# Altium PCB DISPLAY.PcbDoc
Units mil, origin at the board's own origin, x right, y up, seen from the top; angles counter-clockwise.
Board outline 6000 x 4000 mil, 2 copper layers (Top Layer, Bottom Layer); 139 components, 204 nets, 827 pads, 0 vias.
Unrouted connection lines stored in the file: 1.
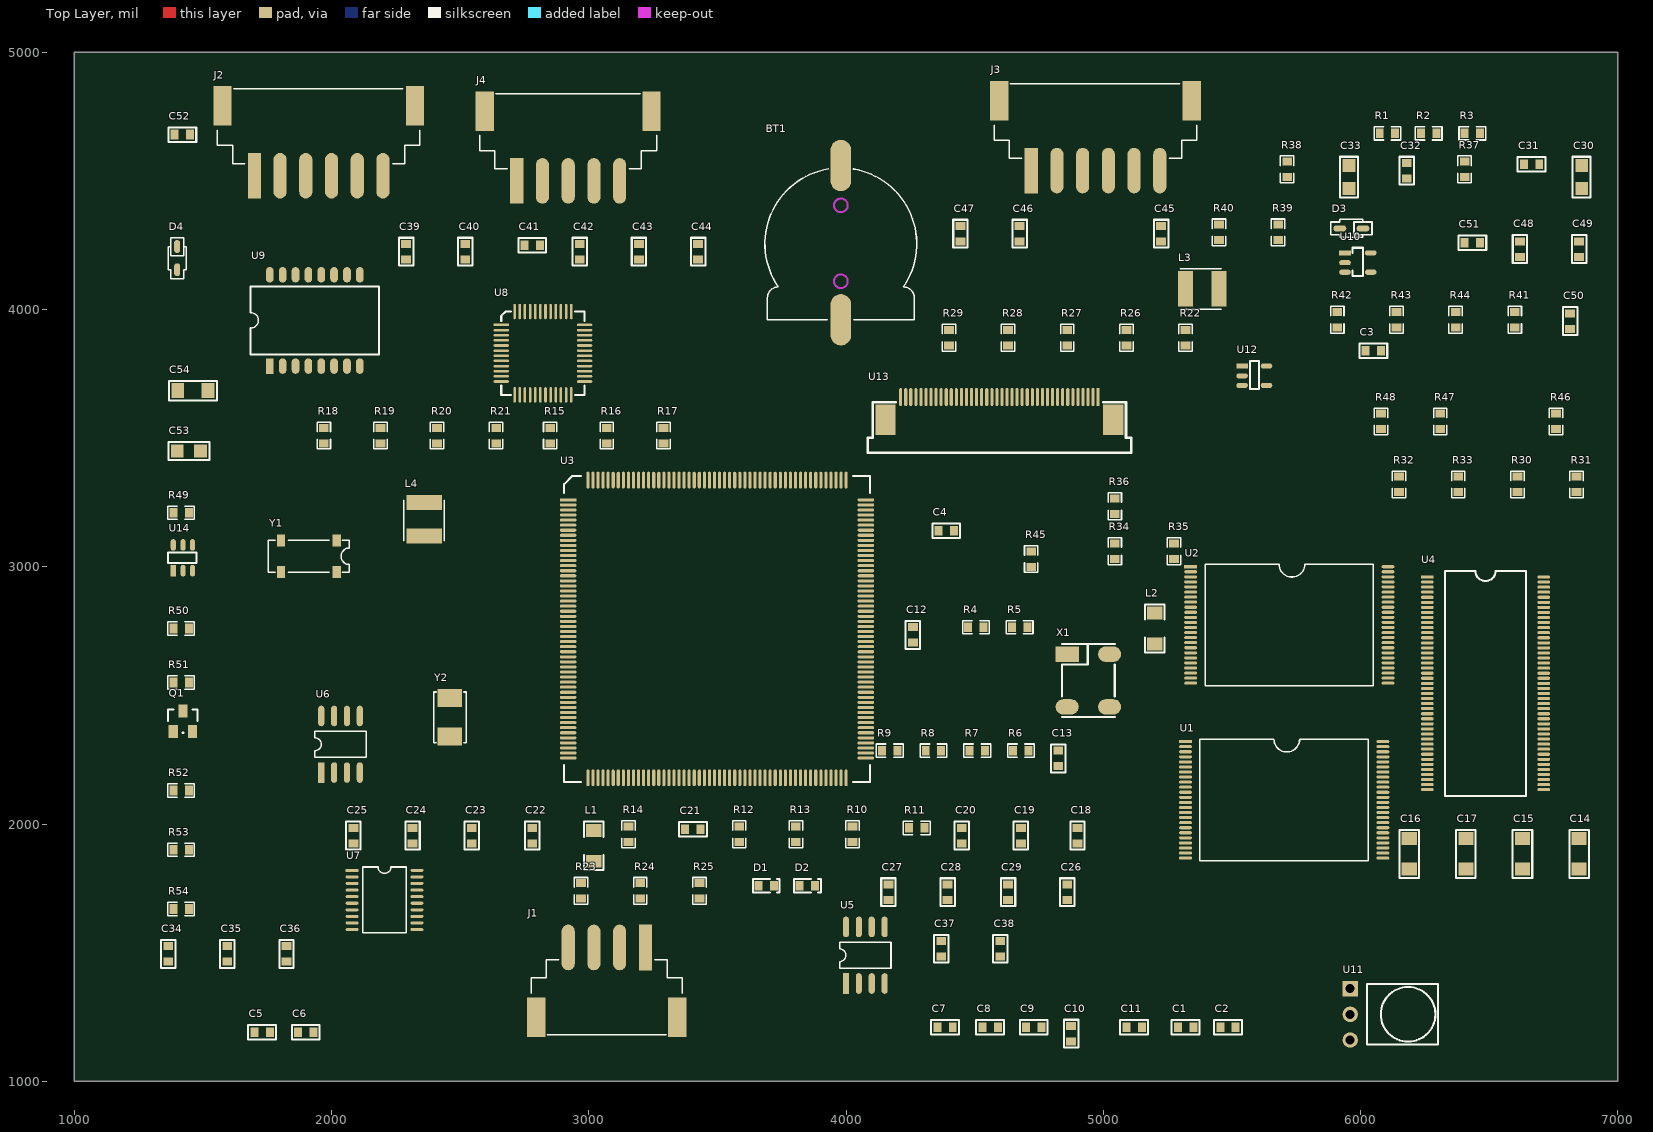
[diagram p0: Top Layer view]
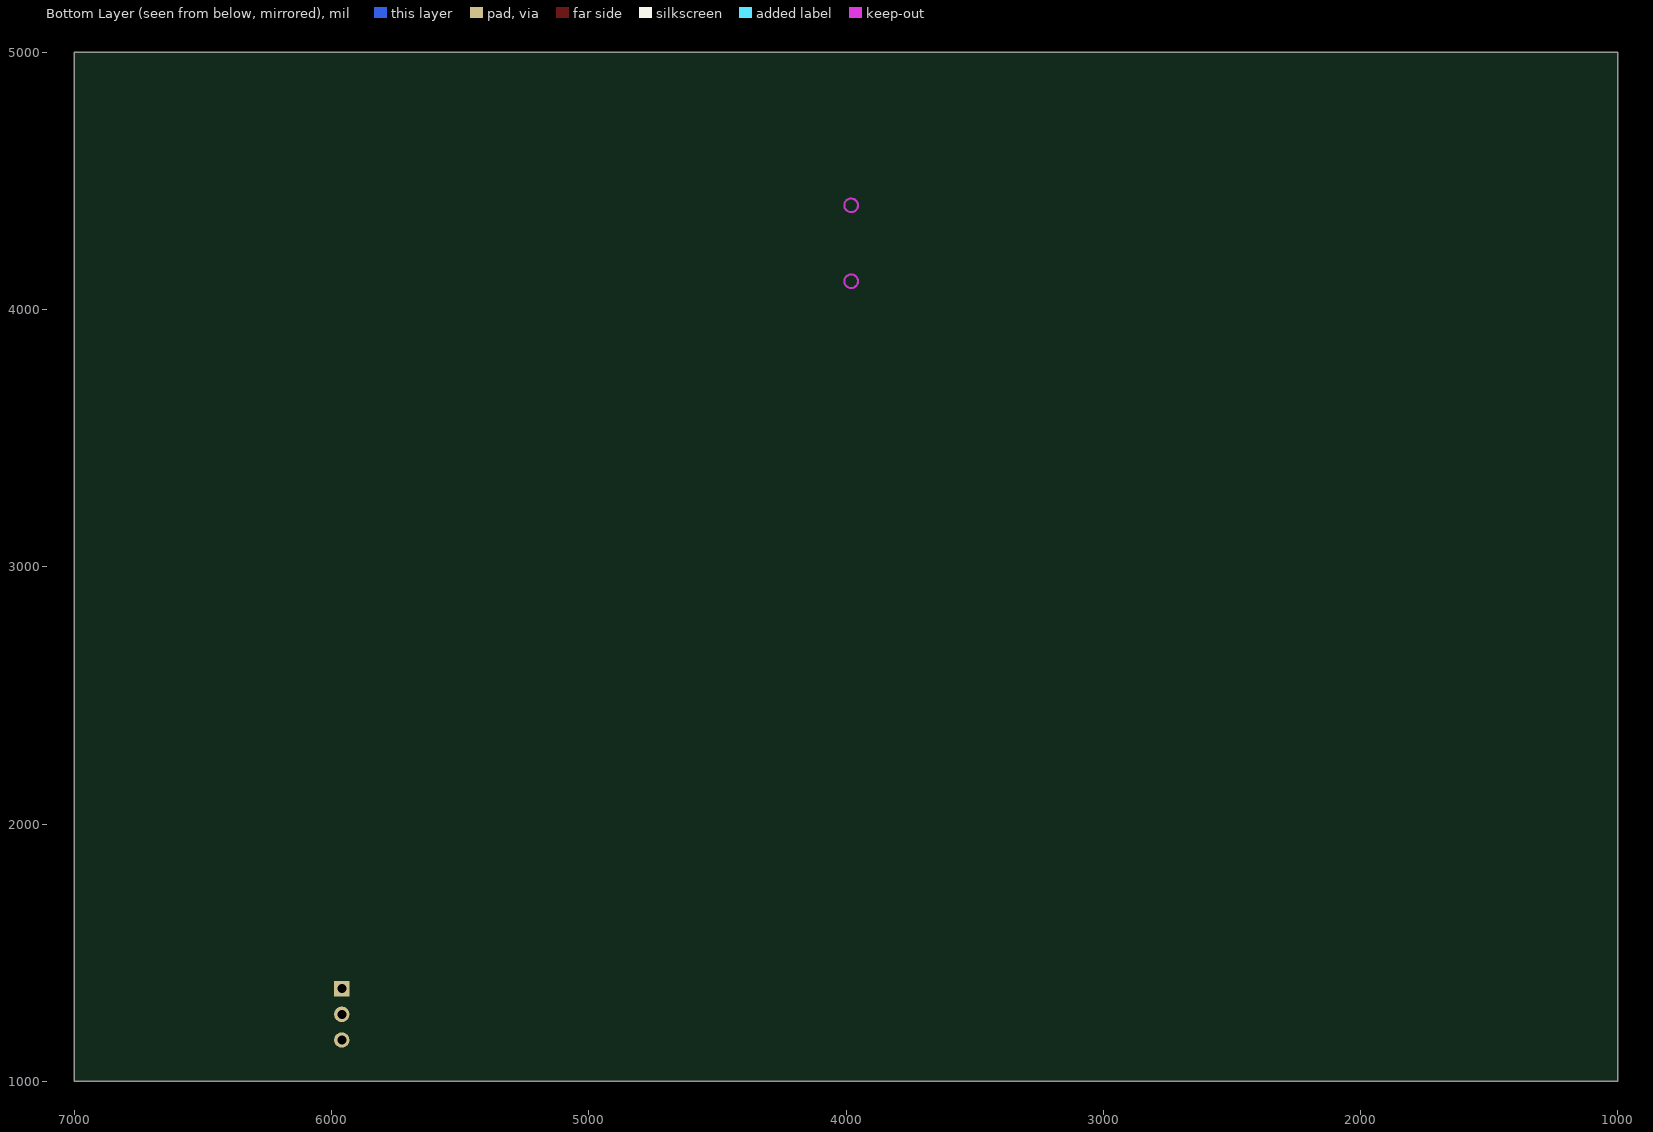
[diagram p1: Bottom Layer view, seen from below]

## Layer stack, top to bottom
Top Layer: signal copper 1.4
Dielectric: dielectric 12.6, FR-4, Dk 4.8
Bottom Layer: signal copper 1.4

## Board outline
1000,1000 7000,1000 7000,5000 1000,5000

## Design rules (kind name [scope] priority, off if disabled: settings)
Clearance [All] p1: gap=10
PolygonConnect [All] p1: connectstyle=Relief reliefconductorwidth=10 reliefentries=4 polygonreliefangle="90 Angle"
RoutingVias [All] p1: holewidth=28 width=50 viastyle="Through Hole" minholewidth=28 minwidth=50 maxholewidth=28 maxwidth=50
SilkscreenOverComponentPads [All] p1: minsilkscreentomaskgap=10
SolderMaskExpansion [All] p1: expansion=4
Width [All] p1: maxlimit=10 minlimit=10 preferedwidth=10
27 further rules are at their usual default settings.

## Classes and differential pairs
component class U_CanRs232: C14 C15 C16 C17 J1 U7
component class U_EEPROM: C12 C13 R4 R5 R6 R7 R8 R9 U5 U6
component class U_Enet: C18 C19 C20 C21 C22 C23 C24 C25 C26 C27 C28 C29 D1 D2 J2 L1 L2 R10 R11 R12 R13 R14 R15 R16 R17 R18 R19 R20 R21 R22 R23 R24 R25 R26 R27 R28 R29 R30 R31 R32 R33 R34 R35 U8 U9 X1
component class U_GPIO: R36
component class U_Mem: C1 C2 C3 C4 C5 C6 C7 C8 C9 C10 C11 R1 R2 R3 U1 U2 U3 U4
component class U_Power: C30 C31 C32 C33 C34 C35 C36 C37 C38 C39 C40 C41 C42 C43 C44 L3 R37 R38 U10
component class U_System: BT1 C45 C46 C47 C48 C49 C50 C51 D3 J3 J4 R39 R40 R41 R42 R43 R44 R45 R46 R47 R48 U11 U12 Y1 Y2
component class U_TFT: C52 C53 C54 D4 L4 Q1 R49 R50 R51 R52 R53 R54 U13 U14

## Components (designator, comment, footprint, x,y, rotation, side; value= is the part's Value field where it differs from the comment)
BT1 "CR1220" CR1220 3980,3960 r90 top
C1 "104" C0603 5290,1210 r0 top
C2 "104" C0603 5455,1210 r0 top
C3 "104" C0603 6020,3840 r0 top
C4 "104" C0603 4360,3140 r0 top
C5 "104" C0603 1700,1190 r0 top
C6 "104" C0603 1870,1190 r0 top
C7 "104" C0603 4355,1210 r0 top
C8 "104" C0603 4530,1210 r0 top
C9 "104" C0603 4700,1210 r0 top
C10 "104" C0603 4875,1155 r90 top
C11 "104" C0603 5090,1210 r0 top
C12 "104" C0603 4260,2705 r90 top
C13 "104" C0603 4825,2225 r90 top
C14 "104" C1206 6850,1825 r90 top
C15 "104" C1206 6630,1825 r90 top
C16 "104" C1206 6190,1825 r90 top
C17 "104" C1206 6410,1825 r90 top
C18 "104" C0603 4900,1925 r90 top
C19 "104" C0603 4680,1925 r90 top
C20 "103" C0603 4450,1925 r90 top
C21 "104" C0603 3375,1980 r0 top
C22 "104" C0603 2780,1925 r90 top
C23 "104" C0603 2545,1925 r90 top
C24 "103" C0603 2315,1925 r90 top
C25 "104" C0603 2085,1925 r90 top
C26 "104" C0603 4860,1705 r90 top
C27 "104" C0603 4165,1705 r90 top
C28 "104" C0603 4395,1705 r90 top
C29 "104" C0603 4630,1705 r90 top
C30 "106" C0805 6860,4470 r90 top
C31 "104" C0603 6635,4565 r0 top
C32 "22P" C0603 6180,4510 r90 top
C33 "106(0805)" C0805 5955,4470 r90 top
C34 "104" C0603 1365,1465 r90 top
C35 "104" C0603 1595,1465 r90 top
C36 "104" C0603 1825,1465 r90 top
C37 "104" C0603 4370,1485 r90 top
C38 "104" C0603 4600,1485 r90 top
C39 "104" C0603 2290,4195 r90 top
C40 "104" C0603 2520,4195 r90 top
C41 "104" C0603 2750,4250 r0 top
C42 "104" C0603 2965,4195 r90 top
C43 "104" C0603 3195,4195 r90 top
C44 "104" C0603 3425,4195 r90 top
C45 "106" C0603 5225,4265 r90 top
C46 "106" C0603 4675,4265 r90 top
C47 "104" C0603 4445,4265 r90 top
C48 "18P" C0603 6620,4205 r90 top
C49 "18P" C0603 6850,4205 r90 top
C50 "22P" C0603 6815,3925 r90 top
C51 "22P" C0603 6405,4260 r0 top
C52 "104" C0603 1450,4680 r180 top
C53 "106" C0805 1490,3450 r180 top
C54 "104(1206)" C1206 1520,3685 r180 top
D1 "RED" LED0603 3660,1760 r0 top
D2 "GREEN" LED0603 3820,1760 r0 top
D3 "1N4148WS" SOD323 5920,4315 r0 top
D4 "1N4148WS" SOD323 1400,4155 r90 top
J1 "XH2.54-4" A2501WF-04A 3220,1520 r180 top
J2 "XH2.54-6" A2501WF-06A 1700,4520 r0 top
J3 "XH2.54-6" A2501WF-06A 4720,4540 r0 top
J4 "XH2.54-5" A2501WF-05A 2720,4500 r0 top
L1 "L50R" BEADL 3020,1855 r90 top
L2 "L50R" BEADL 5200,2700 r90 top
L3 "2.2uH" L4X4 5320,4080 r0 top
L4 "22uH" L4X4 2360,3120 r90 top
Q1 "A3402" SOT23_9013 1385,2360 r90 top
R1 "10K" R0603 6075,4685 r0 top
R2 "10K" R0603 6235,4685 r0 top
R3 "10K" R0603 6405,4685 r0 top
R4 "1K" R0603 4475,2765 r0 top
R5 "1K" R0603 4645,2765 r0 top
R6 "22R" R0603 4650,2285 r0 top
R7 "22R" R0603 4480,2285 r0 top
R8 "22R" R0603 4310,2285 r0 top
R9 "22R" R0603 4140,2285 r0 top
R10 "51R" R0603 4025,1930 r90 top
R11 "51R" R0603 4245,1985 r0 top
R12 "51R" R0603 3585,1930 r90 top
R13 "51R" R0603 3805,1930 r90 top
R14 "6K8" R0603 3155,1930 r90 top
R15 "0R" R0603 2850,3480 r90 top
R16 "10K" R0603 3070,3480 r90 top
R17 "10K" R0603 3290,3480 r90 top
R18 "75R" R0603 1970,3480 r90 top
R19 "75R" R0603 2190,3480 r90 top
R20 "75R" R0603 2410,3480 r90 top
R21 "75R" R0603 2640,3480 r90 top
R22 "10K" R0603 5320,3860 r90 top
R23 "10K" R0603 2970,1710 r90 top
R24 "10K" R0603 3200,1710 r90 top
R25 "10K" R0603 3430,1710 r90 top
R26 "330R" R0603 5090,3860 r90 top
R27 "330R" R0603 4860,3860 r90 top
R28 "10K" R0603 4630,3860 r90 top
R29 "2K" R0603 4400,3860 r90 top
R30 "10K" R0603 6610,3290 r90 top
R31 "2K" R0603 6840,3290 r90 top
R32 "10K" R0603 6150,3290 r90 top
R33 "2K" R0603 6380,3290 r90 top
R34 "10K" R0603 5045,3030 r90 top
R35 "2K" R0603 5275,3030 r90 top
R36 "10K" R0603 5045,3205 r90 top
R37 "100K" R0603 6405,4515 r90 top
R38 "22K" R0603 5715,4515 r90 top
R39 "100R" R0603 5680,4270 r90 top
R40 "1K" R0603 5450,4270 r90 top
R41 "10K" R0603 6600,3930 r90 top
R42 "10K" R0603 5910,3930 r90 top
R43 "10K" R0603 6140,3930 r90 top
R44 "10K" R0603 6370,3930 r90 top
R45 "2K" R0603 4720,3000 r90 top
R46 "2K" R0603 6760,3535 r90 top
R47 "0R" R0603 6310,3535 r90 top
R48 "10K" R0603 6080,3535 r90 top
R49 "22K" R0603 1445,3210 r180 top
R50 "5R6" R0603 1445,2760 r180 top
R51 "100K" R0603 1445,2550 r180 top
R52 "100R" R0603 1445,2130 r180 top
R53 "100K" R0603 1445,1900 r180 top
R54 "10K" R0603 1445,1670 r180 top
U1 "SST39VF1601" SST39VF1601 5320,2320 r0 top
U2 "K9F4G08U0B-PCB0" K9F4G08U0B 5340,3000 r0 top
U3 "LPC1788FBD208" QFP208 2920,3260 r0 top
U4 "MT48LC8M32B2" TSOP86 6260,2960 r0 top
U5 "AT24C02BN-SH-T" SOP8 4000,1380 r90 top
U6 "GT21L16S2W" SOP8 1960,2200 r90 top
U7 "SP3222B" TSSOP20 2080,1820 r0 top
U8 "DM9161AEP" PQFP48 2660,3940 r0 top
U9 "HR601680" HR601680 1760,3780 r90 top
U10 "LTC3406ES5-ADJ" SOT23-5 5940,4220 r0 top
U11 "HS0038B" HS0038B 5960,1360 r270 top
U12 "TPS3823-33DBVT" TSOP-5 5540,3780 r0 top
U13 "LCD43" SMTSOFT40 4980,3660 r180 top
U14 "PT4101" SOT23-6 1385,2985 r90 top
X1 "50MHz" CRYSTAL5X8 4860,2660 r0 top
Y1 "32768" MC-306 2020,2980 r180 top
Y2 "12M" CY5032 2460,2340 r90 top

## Footprints (in the part's own frame and the unit in brackets; to place one, negate y for a bottom-side part, rotate by r counter-clockwise, add the part's x,y. Pads: shape width x height; smd on the part's side, far side on the other; paste and mask are expansions set on the pad)
A2501WF-04A [mm]
  rect 1.8x3.9 smd: 0(-3.15,6.9) 0(10.77,6.9)
  rect 1.3x4.5 smd: 1(0,0)
  oval 1.3x4.5 smd: 2(2.54,0) 3(5.08,0) 4(7.62,0)
  silkscreen extent -3.65,1.2 11.27,8.6, body extent -3.69,-1.62 11.31,8.58, height 6
A2501WF-05A [mm]
  rect 1.8x3.9 smd: 0(-3.15,6.9) 0(13.31,6.9)
  rect 1.3x4.5 smd: 1(0,0)
  oval 1.3x4.5 smd: 2(2.54,0) 3(5.08,0) 4(7.62,0) 5(10.16,0)
  silkscreen extent -3.65,1.2 13.81,8.6, body extent -3.65,-1.64 13.85,8.71, height 6
A2501WF-06A [mm]
  rect 1.8x3.9 smd: 0(-3.15,6.9) 0(15.85,6.9)
  rect 1.3x4.5 smd: 1(0,0)
  oval 1.3x4.5 smd: 2(2.54,0) 3(5.08,0) 4(7.62,0) 5(10.16,0) 6(12.7,0)
  silkscreen extent -3.65,1.2 16.35,8.6, body extent -3.68,-1.77 16.32,8.58, height 6
BEADL [mil]
  rect 50x60 smd: 1(0,0) 2(120,0)
  silkscreen extent -34,-38 154,38, body extent -7,-35 127,35, height 39
C0603 [mil]
  rect 31x38 smd: 1(0,0) 2(60,0)
  silkscreen extent -24,-28 84,28, body extent -3,-18 63,18, height 35
C0805 [mil]
  rect 50x50 smd: 1(0,0) 2(90,0)
  silkscreen extent -35,-35 124,35, body extent 2,-29 88,29, height 53
C1206 [mm]
  rect 1.27x1.5 smd: 1(-0.004,0.005) 2(2.996,0.005)
  silkscreen extent -0.87,-0.96 3.85,0.97, body extent -0.18,-0.9 3.22,0.9, height 1
CR1220 [mil]
  oval 200x80 smd: 1(0,0) 2(600,0)
  Keep-Out Layer circle w8: c150,0 r26.63
  Keep-Out Layer circle w8: c445,0 r26.63
  silkscreen extent 0,-295 586,295, body extent -58,-295 657,296, height 158
CRYSTAL5X8 [mil]
  rect 90x60 smd: 1(-0.17,0.2)
  oval 90x60 smd: 2(-0.17,-204.8) 3(164.83,-204.8) 4(164.83,0.2)
  silkscreen extent -20,-245 185,40, body extent -16,-240 181,36, height 56
CY5032 [mm]
  rect 1.8x2.4 smd: 1(0,0) 2(3.8,0)
  silkscreen extent -0.6,-1.6 4.4,1.6, body extent -0.6,-1.6 4.4,1.6, height 1.21
HR601680 [mil]
  rect 60x30 smd: 1(0,0)
  oval 60x30 smd: 2(0,-50) 3(0,-100) 4(0,-150) 5(0,-200) 6(0,-250) 7(0,-300) 8(0,-350) 9(355,-350) 10(355,-300) 11(355,-250) 12(355,-200) 13(355,-150) 14(355,-100) 15(355,-50) 16(355,0)
  silkscreen extent 45,-424 310,74, body extent -8,-419 363,69, height 225
HS0038B [mil]
  rect 60x60 hole 35: 1(-0.17,0.2)
  round 60 hole 35: 2(99.83,0.2) 3(199.83,0.2)
  silkscreen extent -18,66 218,342, body extent -19,-7 217,337, height 192
K9F4G08U0B [mil]
  rect 50x12 smd: 1(-0.17,0.2)
  oval 50x12 smd: 2(-0.17,-19.48) 3(-0.17,-39.17) 4(-0.17,-58.85) 5(-0.17,-78.54) 6(-0.17,-98.22) 7(-0.17,-117.91) 8(-0.17,-137.59) 9(-0.17,-157.28) 10(-0.17,-176.96) 11(-0.17,-196.65) 12(-0.17,-216.33) 13(-0.17,-236.02) 14(-0.17,-255.7) 15(-0.17,-275.39) 16(-0.17,-295.07) 17(-0.17,-314.76) 18(-0.17,-334.44) 19(-0.17,-354.13) 20(-0.17,-373.81) 21(-0.17,-393.5) 22(-0.17,-413.18) 23(-0.17,-432.87) 24(-0.17,-452.55) 25(767.23,-452.55) 26(767.23,-432.87) 27(767.23,-413.18) 28(767.23,-393.5) 29(767.23,-373.81) 30(767.23,-354.13) 31(767.23,-334.44) 32(767.23,-314.76) 33(767.23,-295.07) 34(767.23,-275.39) 35(767.23,-255.7) 36(767.23,-236.02) 37(767.23,-216.33) 38(767.23,-196.65) 39(767.23,-176.96) 40(767.23,-157.28) 41(767.23,-137.59) 42(767.23,-117.91) 43(767.23,-98.22) 44(767.23,-78.54) 45(767.23,-58.85) 46(767.23,-39.17) 47(767.23,-19.48) 48(767.23,0.2)
  silkscreen extent 56,-462 710,10, body extent -15,-464 781,12, height 48
L4X4 [mm]
  rect 1.5x3.5 smd: 1(0,0) 2(3.3,0)
  silkscreen extent -0.5,-2 3.5,2, body extent -0.35,-2 3.65,2, height 1.04
LED0603 [mil]
  rect 31x38 smd: 1(0,0) 2(60,0)
  silkscreen extent -22,-26 82,26, body extent -3,-18 63,18, height 35
MC-306 [mm]
  rect 0.8x1.2 smd: 0(5.496,0.005) 0(5.496,-3.095) 1(-0.004,0.005) 2(-0.004,-3.095)
  silkscreen extent -1.25,-3.14 6.75,0.06, body extent -1.23,-3.25 6.77,0.15
PQFP48 [mil]
  rect 60x10 smd: 1(-0.17,0.2)
  oval 60x10 smd: 2(-0.17,-19.8) 3(-0.17,-39.8) 4(-0.17,-59.8) 5(-0.17,-79.8) 6(-0.17,-99.8) 7(-0.17,-119.8) 8(-0.17,-139.8) 9(-0.17,-159.8) 10(-0.17,-179.8) 11(-0.17,-199.8) 12(-0.17,-219.8) 25(323.83,-219.8) 26(323.83,-199.8) 27(323.83,-179.8) 28(323.83,-159.8) 29(323.83,-139.8) 30(323.83,-119.8) 31(323.83,-99.8) 32(323.83,-79.8) 33(323.83,-59.8) 34(323.83,-39.8) 35(323.83,-19.8) 36(323.83,0.2)
  oval 10x60 smd: 13(51.83,-271.8) 14(71.83,-271.8) 15(91.83,-271.8) 16(111.83,-271.8) 17(131.83,-271.8) 18(151.83,-271.8) 19(171.83,-271.8) 20(191.83,-271.8) 21(211.83,-271.8) 22(231.83,-271.8) 23(251.83,-271.8) 24(271.83,-271.8) 37(271.83,52.2) 38(251.83,52.2) 39(231.83,52.2) 40(211.83,52.2) 41(191.83,52.2) 42(171.83,52.2) 43(151.83,52.2) 44(131.83,52.2) 45(111.83,52.2) 46(91.83,52.2) 47(71.83,52.2) 48(51.83,52.2)
  silkscreen extent 0,-272 324,52, body extent -15,-286 339,68, height 57
QFP208 [mil]
  rect 65x12 smd: 1(-0.17,0.2)
  oval 65x12 smd: 2(-0.17,-19.48) 3(-0.17,-39.17) 4(-0.17,-58.85) 5(-0.17,-78.54) 6(-0.17,-98.22) 7(-0.17,-117.91) 8(-0.17,-137.59) 9(-0.17,-157.28) 10(-0.17,-176.96) 11(-0.17,-196.65) 12(-0.17,-216.33) 13(-0.17,-236.02) 14(-0.17,-255.7) 15(-0.17,-275.39) 16(-0.17,-295.07) 17(-0.17,-314.76) 18(-0.17,-334.44) 19(-0.17,-354.13) 20(-0.17,-373.81) 21(-0.17,-393.5) 22(-0.17,-413.18) 23(-0.17,-432.87) 24(-0.17,-452.55) 25(-0.17,-472.24) 26(-0.17,-491.92) 27(-0.17,-511.61) 28(-0.17,-531.29) 29(-0.17,-550.98) 30(-0.17,-570.66) 31(-0.17,-590.35) 32(-0.17,-610.03) 33(-0.17,-629.72) 34(-0.17,-649.4) 35(-0.17,-669.09) 36(-0.17,-688.77) 37(-0.17,-708.46) 38(-0.17,-728.14) 39(-0.17,-747.83) 40(-0.17,-767.51) 41(-0.17,-787.2) 42(-0.17,-806.88) 43(-0.17,-826.57) 44(-0.17,-846.25) 45(-0.17,-865.94) 46(-0.17,-885.62) 47(-0.17,-905.31) 48(-0.17,-924.99) 49(-0.17,-944.68) 50(-0.17,-964.36) 51(-0.17,-984.05) 52(-0.17,-1003.73) 105(1157.3,-1003.73) 106(1157.3,-984.05) 107(1157.3,-964.36) 108(1157.3,-944.68) 109(1157.3,-924.99) 110(1157.3,-905.31) 111(1157.3,-885.62) 112(1157.3,-865.94) 113(1157.3,-846.25) 114(1157.3,-826.57) 115(1157.3,-806.88) 116(1157.3,-787.2) 117(1157.3,-767.51) 118(1157.3,-747.83) 119(1157.3,-728.14) 120(1157.3,-708.46) 121(1157.3,-688.77) 122(1157.3,-669.09) 123(1157.3,-649.4) 124(1157.3,-629.72) 125(1157.3,-610.03) 126(1157.3,-590.35) 127(1157.3,-570.66) 128(1157.3,-550.98) 129(1157.3,-531.29) 130(1157.3,-511.61) 131(1157.3,-491.92) 132(1157.3,-472.24) 133(1157.3,-452.55) 134(1157.3,-432.87) 135(1157.3,-413.18) 136(1157.3,-393.5) 137(1157.3,-373.81) 138(1157.3,-354.13) 139(1157.3,-334.44) 140(1157.3,-314.76) 141(1157.3,-295.07) 142(1157.3,-275.39) 143(1157.3,-255.7) 144(1157.3,-236.02) 145(1157.3,-216.33) 146(1157.3,-196.65) 147(1157.3,-176.96) 148(1157.3,-157.28) 149(1157.3,-137.59) 150(1157.3,-117.91) 151(1157.3,-98.22) 152(1157.3,-78.54) 153(1157.3,-58.85) 154(1157.3,-39.17) 155(1157.3,-19.48) 156(1157.3,0.2)
  oval 12x65 smd: 53(76.6,-1080.5) 54(96.28,-1080.5) 55(115.97,-1080.5) 56(135.65,-1080.5) 57(155.34,-1080.5) 58(175.02,-1080.5) 59(194.71,-1080.5) 60(214.39,-1080.5) 61(234.08,-1080.5) 62(253.76,-1080.5) 63(273.45,-1080.5) 64(293.13,-1080.5) 65(312.82,-1080.5) 66(332.5,-1080.5) 67(352.19,-1080.5) 68(371.87,-1080.5) 69(391.56,-1080.5) 70(411.24,-1080.5) 71(430.93,-1080.5) 72(450.61,-1080.5) 73(470.3,-1080.5) 74(489.98,-1080.5) 75(509.67,-1080.5) 76(529.35,-1080.5) 77(549.04,-1080.5) 78(568.72,-1080.5) 79(588.41,-1080.5) 80(608.09,-1080.5) 81(627.78,-1080.5) 82(647.46,-1080.5) 83(667.15,-1080.5) 84(686.83,-1080.5) 85(706.52,-1080.5) 86(726.2,-1080.5) 87(745.89,-1080.5) 88(765.57,-1080.5) 89(785.26,-1080.5) 90(804.94,-1080.5) 91(824.63,-1080.5) 92(844.31,-1080.5) 93(864,-1080.5) 94(883.68,-1080.5) 95(903.37,-1080.5) 96(923.05,-1080.5) 97(942.74,-1080.5) 98(962.42,-1080.5) 99(982.11,-1080.5) 100(1001.79,-1080.5) 101(1021.48,-1080.5) 102(1041.16,-1080.5) 103(1060.85,-1080.5) 104(1080.53,-1080.5) 157(1080.53,76.98) 158(1060.85,76.98) 159(1041.16,76.98) 160(1021.48,76.98) 161(1001.79,76.98) 162(982.11,76.98) 163(962.42,76.98) 164(942.74,76.98) 165(923.05,76.98) 166(903.37,76.98) 167(883.68,76.98) 168(864,76.98) 169(844.31,76.98) 170(824.63,76.98) 171(804.94,76.98) 172(785.26,76.98) 173(765.57,76.98) 174(745.89,76.98) 175(726.2,76.98) 176(706.52,76.98) 177(686.83,76.98) 178(667.15,76.98) 179(647.46,76.98) 180(627.78,76.98) 181(608.09,76.98) 182(588.41,76.98) 183(568.72,76.98) 184(549.04,76.98) 185(529.35,76.98) 186(509.67,76.98) 187(489.98,76.98) 188(470.3,76.98) 189(450.61,76.98) 190(430.93,76.98) 191(411.24,76.98) 192(391.56,76.98) 193(371.87,76.98) 194(352.19,76.98) 195(332.5,76.98) 196(312.82,76.98) 197(293.13,76.98) 198(273.45,76.98) 199(253.76,76.98) 200(234.08,76.98) 201(214.39,76.98) 202(194.71,76.98) 203(175.02,76.98) 204(155.34,76.98) 205(135.65,76.98) 206(115.97,76.98) 207(96.28,76.98) 208(76.6,76.98)
  silkscreen extent -16,-1096 1173,93, body extent -12,-1091 1169,90, height 60
R0603 [mil]
  rect 31x38 smd: 1(0,0) 2(60,0)
  silkscreen extent -22,-26 82,26, body extent -4,-19 64,19, height 22
SMTSOFT40 [mil]
  rect 78.74x118.11 smd: 0(-59.23,88.79) 0(826.6,88.79)
  rect 12x70 smd: 1(-0.17,0.2)
  oval 12x70 smd: 2(19.51,0.2) 3(39.2,0.2) 4(58.88,0.2) 5(78.57,0.2) 6(98.25,0.2) 7(117.94,0.2) 8(137.62,0.2) 9(157.31,0.2) 10(176.99,0.2) 11(196.68,0.2) 12(216.36,0.2) 13(236.05,0.2) 14(255.73,0.2) 15(275.42,0.2) 16(295.1,0.2) 17(314.79,0.2) 18(334.47,0.2) 19(354.16,0.2) 20(373.84,0.2) 21(393.53,0.2) 22(413.21,0.2) 23(432.9,0.2) 24(452.58,0.2) 25(472.27,0.2) 26(491.95,0.2) 27(511.64,0.2) 28(531.32,0.2) 29(551.01,0.2) 30(570.69,0.2) 31(590.38,0.2) 32(610.06,0.2) 33(629.75,0.2) 34(649.43,0.2) 35(669.12,0.2) 36(688.8,0.2) 37(708.49,0.2) 38(728.17,0.2) 39(747.86,0.2) 40(767.54,0.2)
  silkscreen extent -128,20 895,217, body extent -122,-24 890,224, height 88
SOD323 [mil]
  oval 50x24 smd: 1(-0.17,0.2) 2(89.83,0.2)
  silkscreen extent -35,-35 125,35, body extent -8,-26 94,25, height 39
SOP8 [mil]
  rect 80x24 smd: 1(0,0)
  oval 80x24 smd: 2(0,-50) 3(0,-100) 4(0,-150) 5(220,-150) 6(220,-100) 7(220,-50) 8(220,0)
  silkscreen extent 60,-175 160,25, body extent -8,-171 228,21, height 67
SOT23-5 [mil]
  rect 45x20 smd: 1(-0.17,0.2)
  oval 45x20 smd: 2(-0.17,-37.8) 3(-0.17,-74.8) 4(99.83,-74.8) 5(99.83,0.2)
  silkscreen extent 30,-90 70,20, body extent -8,-95 102,19, height 47
SOT23-6 [mil]
  rect 45x20 smd: 1(-0.17,0.2)
  oval 45x20 smd: 2(-0.17,-37.8) 3(-0.17,-74.8) 4(99.83,-74.8) 5(99.83,-37.8) 6(99.83,0.2)
  silkscreen extent 30,-90 70,20, body extent -6,-95 104,19, height 57
SOT23_9013 [mil]
  rect 50x36 smd: 1(-0.17,0.2) 2(79.83,-37.8) 3(-0.17,-74.8)
  silkscreen extent -5,-95 85,20, body extent -16,-94 94,20, height 47
SST39VF1601 [mil]
  rect 50x12 smd: 1(-0.17,0.2)
  oval 50x12 smd: 2(-0.17,-19.48) 3(-0.17,-39.17) 4(-0.17,-58.85) 5(-0.17,-78.54) 6(-0.17,-98.22) 7(-0.17,-117.91) 8(-0.17,-137.59) 9(-0.17,-157.28) 10(-0.17,-176.96) 11(-0.17,-196.65) 12(-0.17,-216.33) 13(-0.17,-236.02) 14(-0.17,-255.7) 15(-0.17,-275.39) 16(-0.17,-295.07) 17(-0.17,-314.76) 18(-0.17,-334.44) 19(-0.17,-354.13) 20(-0.17,-373.81) 21(-0.17,-393.5) 22(-0.17,-413.18) 23(-0.17,-432.87) 24(-0.17,-452.55) 25(767.23,-452.55) 26(767.23,-432.87) 27(767.23,-413.18) 28(767.23,-393.5) 29(767.23,-373.81) 30(767.23,-354.13) 31(767.23,-334.44) 32(767.23,-314.76) 33(767.23,-295.07) 34(767.23,-275.39) 35(767.23,-255.7) 36(767.23,-236.02) 37(767.23,-216.33) 38(767.23,-196.65) 39(767.23,-176.96) 40(767.23,-157.28) 41(767.23,-137.59) 42(767.23,-117.91) 43(767.23,-98.22) 44(767.23,-78.54) 45(767.23,-58.85) 46(767.23,-39.17) 47(767.23,-19.48) 48(767.23,0.2)
  silkscreen extent 56,-462 710,10, body extent -15,-464 781,12, height 48
TSOP86 [mil]
  rect 50x12 smd: 1(-0.17,0.2)
  oval 50x12 smd: 2(-0.17,-19.48) 3(-0.17,-39.17) 4(-0.17,-58.85) 5(-0.17,-78.54) 6(-0.17,-98.22) 7(-0.17,-117.91) 8(-0.17,-137.59) 9(-0.17,-157.28) 10(-0.17,-176.96) 11(-0.17,-196.65) 12(-0.17,-216.33) 13(-0.17,-236.02) 14(-0.17,-255.7) 15(-0.17,-275.39) 16(-0.17,-295.07) 17(-0.17,-314.76) 18(-0.17,-334.44) 19(-0.17,-354.13) 20(-0.17,-373.81) 21(-0.17,-393.5) 22(-0.17,-413.18) 23(-0.17,-432.87) 24(-0.17,-452.55) 25(-0.17,-472.24) 26(-0.17,-491.92) 27(-0.17,-511.61) 28(-0.17,-531.29) 29(-0.17,-550.98) 30(-0.17,-570.66) 31(-0.17,-590.35) 32(-0.17,-610.03) 33(-0.17,-629.72) 34(-0.17,-649.4) 35(-0.17,-669.09) 36(-0.17,-688.77) 37(-0.17,-708.46) 38(-0.17,-728.14) 39(-0.17,-747.83) 40(-0.17,-767.51) 41(-0.17,-787.2) 42(-0.17,-806.88) 43(-0.17,-826.57) 44(452.58,-826.57) 45(452.58,-806.88) 46(452.58,-787.2) 47(452.58,-767.51) 48(452.58,-747.83) 49(452.58,-728.14) 50(452.58,-708.46) 51(452.58,-688.77) 52(452.58,-669.09) 53(452.58,-649.4) 54(452.58,-629.72) 55(452.58,-610.03) 56(452.58,-590.35) 57(452.58,-570.66) 58(452.58,-550.98) 59(452.58,-531.29) 60(452.58,-511.61) 61(452.58,-491.92) 62(452.58,-472.24) 63(452.58,-452.55) 64(452.58,-432.87) 65(452.58,-413.18) 66(452.58,-393.5) 67(452.58,-373.81) 68(452.58,-354.13) 69(452.58,-334.44) 70(452.58,-314.76) 71(452.58,-295.07) 72(452.58,-275.39) 73(452.58,-255.7) 74(452.58,-236.02) 75(452.58,-216.33) 76(452.58,-196.65) 77(452.58,-176.96) 78(452.58,-157.28) 79(452.58,-137.59) 80(452.58,-117.91) 81(452.58,-98.22) 82(452.58,-78.54) 83(452.58,-58.85) 84(452.58,-39.17) 85(452.58,-19.48) 86(452.58,0.2)
  silkscreen extent 69,-851 384,24, body extent -4,-851 459,24, height 53
TSOP-5 [mil]
  rect 45x20 smd: 1(-0.17,0.2)
  oval 45x20 smd: 2(-0.17,-37.8) 3(-0.17,-74.8) 4(94.83,-74.8) 5(94.83,0.2)
  silkscreen extent 30,-90 65,20, body extent -10,-94 100,20, height 47
TSSOP20 [mm]
  rect 1.27x0.305 smd: 1(0,0)
  oval 1.27x0.305 smd: 2(0,-0.65) 3(0,-1.3) 4(0,-1.95) 5(0,-2.6) 6(0,-3.25) 7(0,-3.9) 8(0,-4.55) 9(0,-5.2) 10(0,-5.85) 11(6.4,-5.85) 12(6.4,-5.2) 13(6.4,-4.55) 14(6.4,-3.9) 15(6.4,-3.25) 16(6.4,-2.6) 17(6.4,-1.95) 18(6.4,-1.3) 19(6.4,-0.65) 20(6.4,0)
  silkscreen extent 1.07,-6.18 5.35,0.32, body extent -0.07,-6.22 6.48,0.38, height 1.2

## Part data
BT1: library part Battery, "Multicell Battery"
C1 C2 C3 C4 C5 C6 C7 C8 C9 C10 C11 C12 C13 C18 C19 C20 C21 C22 C23 C24 C25 C26 C27 C28 C29 C30 C31 C32 C33 C34 C35 C36 C37 C38 C39 C40 C41 C42 C43 C44 C45 C46 C47 C48 C49 C50 C51 C52 C53 C54: library part CAP, "Capacitor"
C14 C15 C16 C17: library part CAP
D1 D2: library part LED0, "Typical INFRARED GaAs LED"
D3 D4: library part DIODE, "Diode"
J1: library part XH2.54-4-SMD
J2 J3: library part XH2.54-6-SMD
J4: library part XH2.54-5-SMD
L1 L2 L4: library part INDUCTOR2
L3: library part INDUCTOR
Q1: library part "MOSFET N"
R1 R2 R3 R4 R5 R6 R7 R8 R9 R10 R11 R12 R13 R14 R15 R16 R17 R18 R19 R20 R21 R22 R23 R24 R25 R26 R27 R28 R29 R30 R31 R32 R33 R34 R35 R36 R37 R38 R39 R40 R41 R42 R43 R44 R45 R46 R47 R48 R49 R50 R51 R52 R53 R54: library part RES2
U2: library part K9F5608U0D-PCB0
U5: library part AT24C02
U6: library part GT21L16T1W
U8: library part DM9161A
U10: library part LTC3406ES5/RT8008
X1: library part OSCILLATOR
Y1 Y2: library part CRYSTAL, "Crystal"

## Nets (pads, with @x,y where several pads share a name; then routed paths per layer and width w, separated by ;. In a path a pad name is that pad's centre, name@x,y a point inside that pad or via, vN(x,y) a via of type N, cw(c..) or ccw(c..) an arc to the next point about the centre after c; other vN are vias at no path point)
A0: U3.75 U4.25
A1: U1.25 U3.79 U4.26
A2: U1.24 U3.83 U4.27
A3: U1.23 U3.97 U4.60
A4: U1.22 U3.103 U4.61
A5: U1.21 U3.107 U4.62
A6: U1.20 U3.113 U4.63
A7: U1.19 U3.121 U4.64
A8: U1.18 U3.127 U4.65
A9: U1.8 U3.131 U4.66
A10: U1.7 U3.135 U4.24
A11: U1.6 U3.145 U4.21
A12: U1.5 U3.149
A13: U1.4 U3.155 U4.22
A14: U1.3 U3.159 U4.23
A15: U1.2 U3.173
A16: U1.1 U3.101
A17: U1.48 U3.104
A18: U1.17 U3.105
A19: U1.16 U2.17 U3.111
A20: U1.9 U2.16 U3.109
AGND9161A: C20.2 C21.2 C22.1 C23.1 C24.2 C25.2 C26.2 L2.1 U8.5 U8.6 U8.46
AVDDTPHY: C18.2 C19.2 C20.1 C21.1 L1.1 U8.9 U9.2 U9.7
CAN_RD1: U3.94
CAN_RD2: U3.168
CAN_TD1: U3.96
CAN_TD2: U3.166
COLRMII: R29.1 U8.36
CRSPHY: R33.1 U3.190 U8.37
CRSPHYAD4: R31.1 U8.35
D0: U1.29 U2.29 U3.197 U4.2
D1: U1.31 U2.30 U3.201 U4.4
D2: U1.33 U2.31 U3.207 U4.5
D3: U1.35 U2.32 U3.3 U4.7
D4: U1.38 U2.41 U3.13 U4.8
D5: U1.40 U2.42 U3.17 U4.10
D6: U1.42 U2.43 U3.23 U4.11
D7: U1.44 U2.44 U3.27 U4.13
D8: U1.30 U3.191 U4.74
D9: U1.32 U3.199 U4.76
D10: U1.34 U3.205 U4.77
D11: U1.36 U3.208 U4.79
D12: U1.39 U3.1 U4.80
D13: U1.41 U3.7 U4.82
D14: R1.1 U1.43 U3.21 U4.83
D15: R2.1 U1.45 U3.28 U4.85
D16: U3.137 U4.31
D17: U3.143 U4.33
D18: U3.151 U4.34
D19: U3.161 U4.36
D20: U3.167 U4.37
D21: U3.175 U4.39
D22: U3.195 U4.40
D23: U3.65 U4.42
D24: U3.58 U4.45
D25: U3.56 U4.47
D26: U3.55 U4.48
D27: U3.203 U4.50
D28: U3.5 U4.51
D29: U3.11 U4.53
D30: U3.19 U4.54
D31: U3.25 U4.56
DQM0: U3.49 U4.16
DQM1: U3.43 U4.71
DQM2: U3.31 U4.28
DQM3: U3.39 U4.59
EMR: R18.2 U9.10
EMT: R19.2 U9.15
FDXOP0: R22.1 U8.11
GND: BT1.2 C1.2 C2.2 C3.2 C4.2 C5.2 C6.2 C7.2 C8.2 C9.2 C10.2 C11.2 C12.2 C13.2 C16.2 C17.2 C18.1 C19.1 C27.2 C28.2 C29.2 C30.2 C31.2 C33.2 C34.2 C35.2 C36.2 C37.2 C38.2 C39.2 C40.2 C41.2 C42.2 C43.2 C44.2 C45.2 C46.2 C47.2 C48.2 C49.2 C50.2 C51.2 C52.2 C53.2 C54.2 J1.4 J3.6 J4.5 L2.2 Q1.3 R15.1 R16.1 R17.1 R33.2 R35.2 R38.2 R48.1 R51.2 R52.2 R53.1 U1.27 U1.46 U2.13 U2.36 U3.22 U3.32 U3.33 U3.63 U3.77 U3.84 U3.93 U3.114 U3.133 U3.148 U3.169 U3.172 U3.189 U3.200 U4.6 U4.12 U4.32 U4.38 U4.44 U4.46 U4.52 U4.58 U4.72 U4.78 U4.84 U4.86 U5.1 U5.2 U5.3 U5.4 U5.7 U6.4 U7.1 U7.12 U7.18 U8.15 U8.33 U8.44 U10.2 U11.2 U12.2 U13.3 U13.29 U13.36 U14.2 X1.2
I2C0_SCL: R5.1 U3.48 U5.6
I2C0_SDA: R4.1 U3.50 U5.5
JTAG_TCK_SWDCLK: J4.3 R48.2 U3.10
JTAG_TDI: R43.1 U3.4
JTAG_TDO: R41.1 U3.2
JTAG_TMS_SWDIO: J4.2 R42.1 U3.6
JTAG_TRST: R44.1 U3.8
KRB: R3.1 U2.7 U3.139
LCD_DCLK: U3.150 U13.30
LCD_ENAB_M: U3.142 U13.34
LCD_FP: U3.144 U13.33
LCD_LP: U3.140 U13.32
LCD_PWR: U3.154 U13.31
LINKSTS: R25.1 R27.1 U8.14
MDCPHY: U3.180 U8.24
MDINTR: R34.1 U8.32
MDIOPHY: U3.178 U8.25
NC: U1.10 U1.13 U1.15 U2.1 U2.2 U2.3 U2.4 U2.5 U2.6 U2.10 U2.11 U2.14 U2.15 U2.20 U2.21 U2.22 U2.23 U2.24 U2.25 U2.26 U2.27 U2.28 U2.33 U2.34 U2.35 U2.39 U2.40 U2.45 U2.46 U2.47 U2.48 U4.14 U4.30 U4.57 U4.69 U4.70 U4.73 U6.3 U7.11 U7.14 U8.45 U9.4 U9.5 U9.12 U9.13
NEMCS0: U2.9 U3.187
NEMCS1: U1.26 U3.193
NetBT1_1: BT1.1 C46.1 C47.1 R40.2 U3.38
NetC14_1: C14.1 U7.2
NetC14_2: C14.2 U7.4
NetC15_1: C15.1 U7.5
NetC15_2: C15.2 U7.6
NetC16_1: C16.1 U7.3
NetC17_1: C17.1 U7.7
NetC22_2: C22.2 R12.1 R13.1
NetC23_2: C23.2 R10.1 R11.1
NetC24_1: C24.1 C25.1 L1.2 U8.1 U8.2
NetC26_1: C26.1 R18.1 R19.1 R20.1 R21.1
NetC32_2: C32.2 R37.1 R38.1 U10.5
NetC45_1: C45.1 R39.1 U11.3
NetC48_1: C48.1 U3.44 Y2.1
NetC49_1: C49.1 U3.46 Y2.2
NetC50_1: C50.1 U3.34 Y1.2
NetC51_1: C51.1 U3.36 Y1.1
NetD1_2: D1.2 R26.2
NetD2_2: D2.2 R27.2
NetD3_2: D3.2 R40.1
NetD4_1: D4.1 L4.2 U14.1
NetJ2_4: J2.4 R20.2
NetJ2_6: J2.6 R21.2
NetL3_1: L3.1 U10.3
NetQ1_1: Q1.1 R54.2
NetQ1_2: Q1.2 R50.1
NetR6_1: R6.1 U6.1
NetR7_1: R7.1 U6.2
NetR8_1: R8.1 U6.5
NetR9_1: R9.1 U6.6
NetR14_1: R14.1 U8.47
NetR14_2: R14.2 U8.48
NetR15_2: R15.2 U8.39
NetR16_2: R16.2 U8.10
NetR17_2: R17.2 U8.22
NetR47_1: R47.1 U12.4
NetR49_1: R49.1 R53.2 U14.5
NetU3_53: U3.53 U4.67
NetU3_59: U3.59 U4.68
NetU3_61: U3.61 U11.1
NetU3_73: U3.73 U4.20
NetU3_87: U3.87 U4.18
NetU3_95: U3.95 U4.19
NHRESET: U3.35 U12.1
NMR: J3.3 J4.4 R46.1 U12.3
NOE: U1.28 U2.8 U3.183
NRESET: U1.12 U3.29 U8.40
NWE: U1.11 U2.18 U3.179 U4.17
P2.10: J3.2 R36.1 U3.110
P201: R54.1 U3.152
P211: R51.1 U3.108 U14.4
RX+PHY: R13.2 U8.3 U9.6
RX-PHY: R12.2 U8.4 U9.8
RXCLK10BTSER: R32.1 U8.34
RXD: J1.3 U7.16
RXD0PHY: R28.1 U3.188 U8.29
RXD1PHY: R30.1 U3.186 U8.28
RXERPHY: R35.1 U3.184 U8.38
RXN: J2.5 U9.9
RXP: J2.3 U9.11
SPEEDOP1: R23.1 U8.12
SSP0_MISO: R7.2 U3.126
SSP0_MOSI: R8.2 U3.124
SSP0_SCK: R9.2 U3.70
SSP0_SSEL: R6.2 U3.85
SSP1_MISO: U3.41
SSP1_MOSI: U3.45
SSP1_SCK: U3.40
SSP1_SSEL: U3.69
TX+PHY: R11.2 U8.7 U9.1
TX-PHY: R10.2 U8.8 U9.3
TXD: J1.2 U7.17
TXD0PHY: U3.196 U8.20
TXD1PHY: U3.194 U8.19
TXENPHY: U3.192 U8.21
TXN: J2.2 U9.14
TXP: J2.1 U9.16
TXRXACTOP2: R24.1 R26.1 U8.13
U0_OE: U3.206
U0_RXD: J3.5 U3.202
U0_TXD: J3.4 U3.204
U1_RXD: U3.130
U1_TXD: U3.128
U2_OE: U3.68
U2_RXD: U3.129
U2_TXD: U3.123
U3_OE: U3.42
U3_RXD: U3.12 U7.15
U3_TXD: U3.14 U7.13
U4_OE: U3.118
U4_RXD: U3.141
U4_TXD: U3.116
VCC: C33.1 C53.1 J1.1 J3.1 L4.1 U10.1 U10.4 U14.6
VD3: U3.132 U13.24
VD4: U3.138 U13.25
VD5: U3.136 U13.21 U13.26
VD6: U3.134 U13.22 U13.27
VD7: U3.176 U13.23 U13.28
VD10: U3.170 U13.15
VD11: U3.72 U13.16
VD12: U3.74 U13.17
VD13: U3.76 U13.18
VD14: U3.78 U13.13 U13.19
VD15: U3.80 U13.14 U13.20
VD19: U3.102 U13.8
VD20: U3.82 U13.9
VD21: U3.88 U13.5 U13.10
VD22: U3.90 U13.6 U13.11
VD23: U3.92 U13.7 U13.12
VDD3.3: C1.1 C2.1 C3.1 C4.1 C5.1 C6.1 C7.1 C8.1 C9.1 C10.1 C11.1 C12.1 C13.1 C27.1 C28.1 C29.1 C30.1 C31.1 C32.1 C34.1 C35.1 C36.1 C37.1 C38.1 C39.1 C40.1 C41.1 C42.1 C43.1 C44.1 C52.1 D1.1 D2.1 D3.1 J4.1 L3.2 R1.2 R2.2 R3.2 R4.2 R5.2 R22.2 R23.2 R24.2 R25.2 R28.2 R29.2 R30.2 R31.2 R32.2 R34.2 R36.2 R37.2 R39.2 R41.2 R42.2 R43.2 R44.2 R45.2 R46.2 U1.14 U1.37 U1.47 U2.12 U2.19 U2.37 U3.15 U3.20 U3.24 U3.26 U3.60 U3.71 U3.86 U3.89 U3.112 U3.125 U3.146 U3.165 U3.174 U3.181 U3.198 U4.1 U4.3 U4.9 U4.15 U4.29 U4.35 U4.41 U4.43 U4.49 U4.55 U4.75 U4.81 U5.8 U6.7 U6.8 U7.19 U7.20 U8.23 U8.30 U8.31 U8.41 U12.5 U13.4 X1.4
VLED+: C54.1 D4.2 R49.2 U13.2
VLED-: R50.2 R52.1 U13.1 U14.3
WDI: R45.1 R47.2 U3.9
XT2PHY: U3.182 U8.42 X1.3
pads on no net: J1.0 J2.0 J3.0 J4.0 U2.38 U3.16 U3.18 U3.30 U3.37 U3.47 U3.51 U3.52 U3.54 U3.57 U3.62 U3.64 U3.66 U3.67 U3.81 U3.91 U3.98 U3.99 U3.100 U3.106 U3.115 U3.117 U3.119 U3.120 U3.122 U3.147 U3.153 U3.156 U3.157 U3.158 U3.160 U3.162 U3.163 U3.164 U3.171 U3.177 U3.185 U7.8 U7.9 U7.10 U8.16 U8.17 U8.18 U8.26 U8.27 U8.43 U13.0 U13.35 U13.37 U13.38 U13.39 U13.40 X1.1 Y1.0